# KiCad board mk_keeb.kicad_pcb
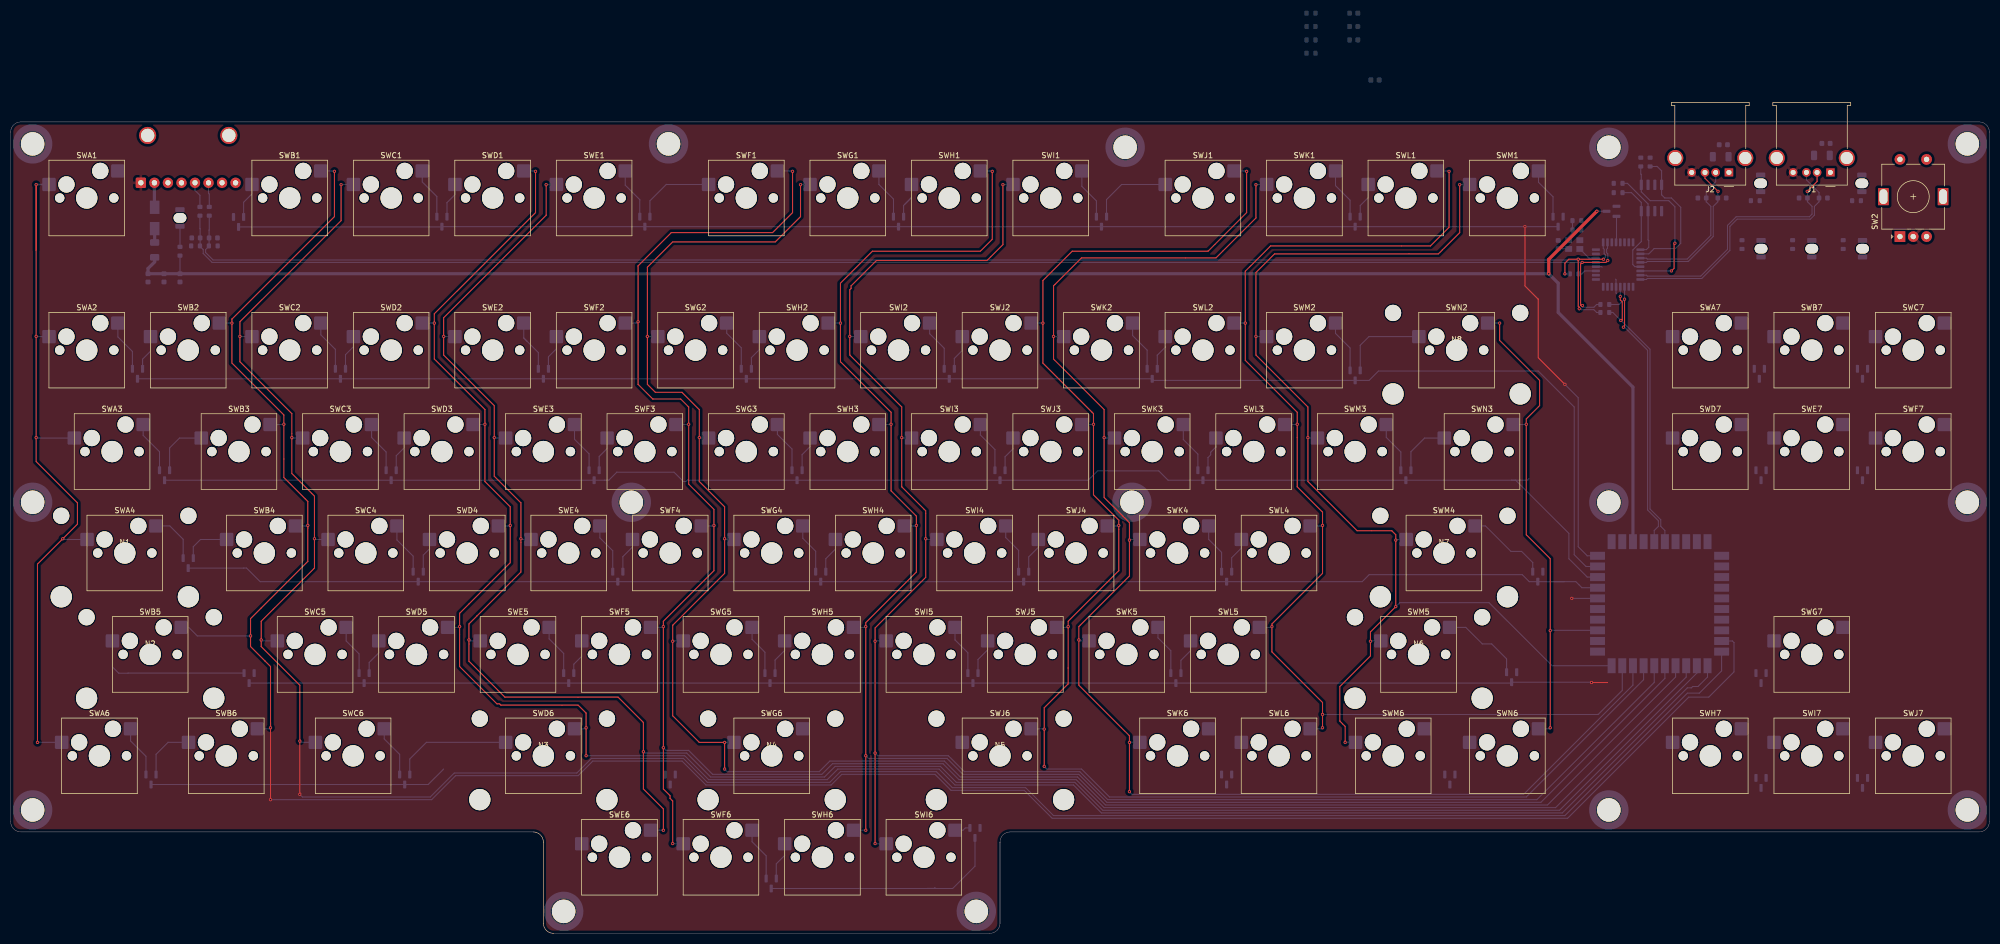
[diagram p0: board, top side]
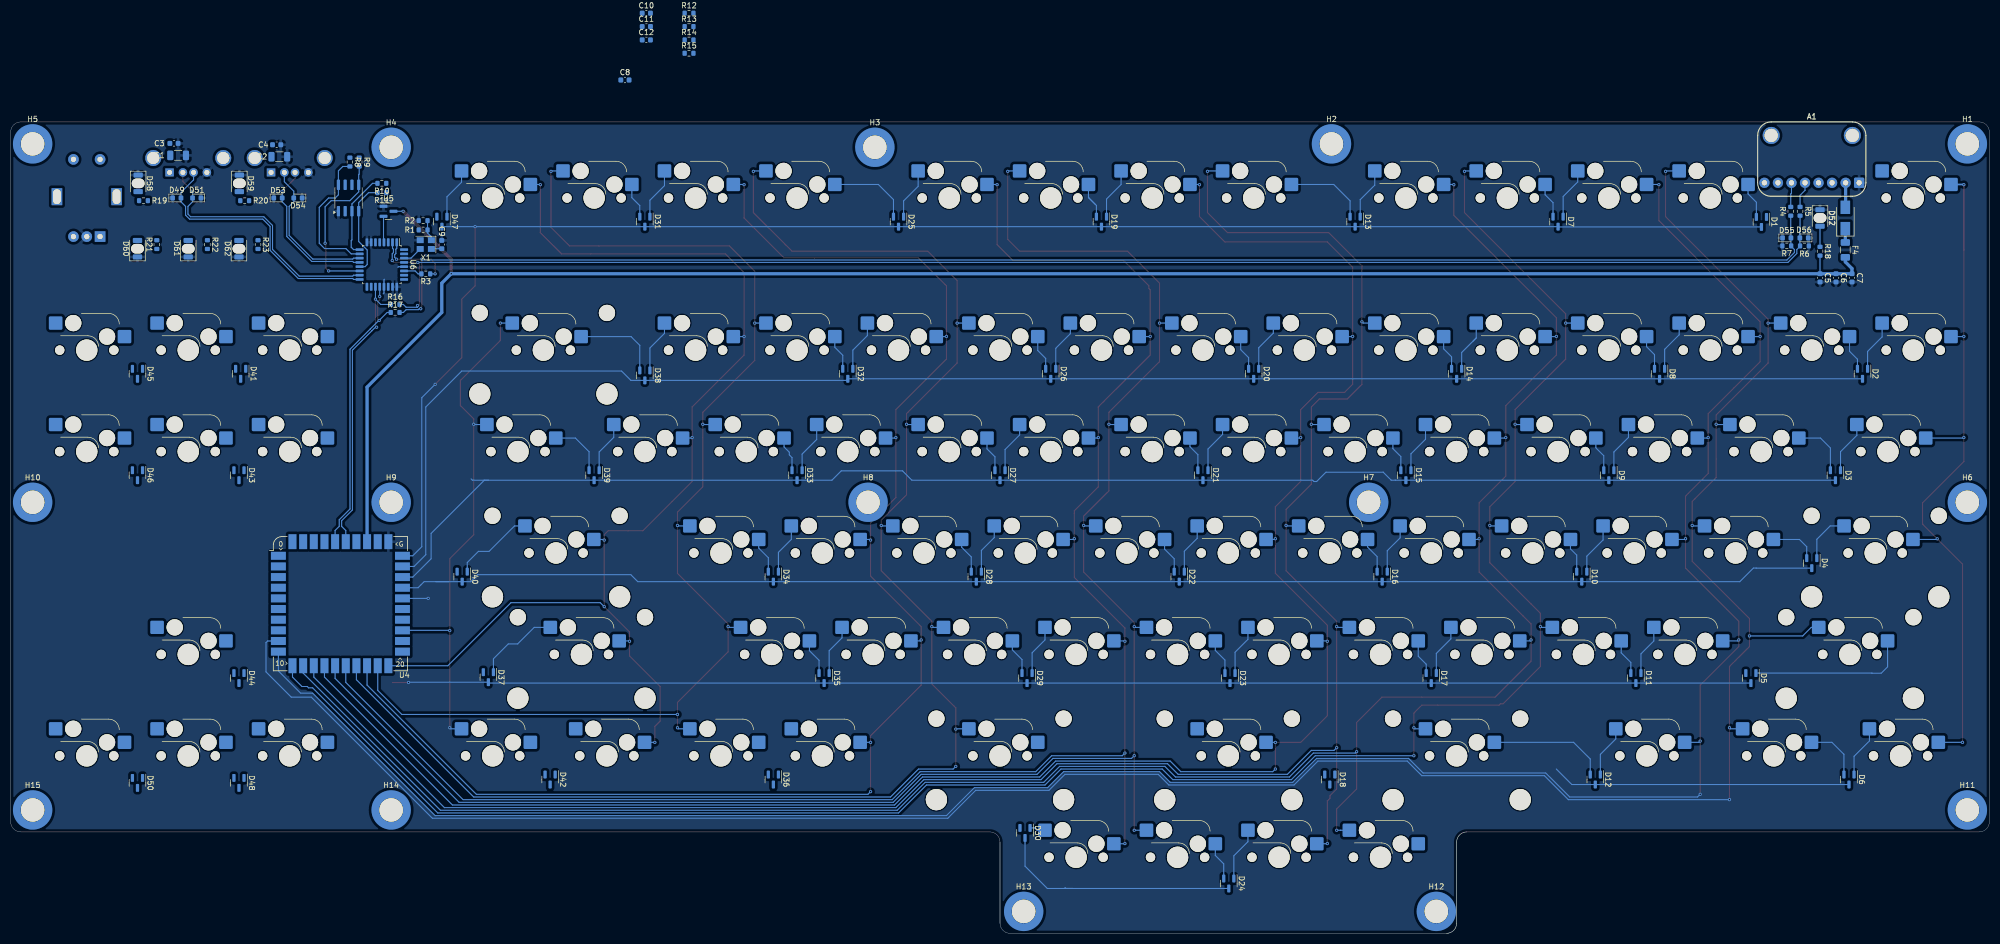
[diagram p1: board, bottom side, seen from below]

Outline 371.48 x 152.4 mm; copper layers: Top, Bottom. Coordinates in mm from the lower left corner of the outline.
Outline path: 0,150.5 arc(0.56,151.84) 1.9,152.4 369.57,152.4 arc(370.92,151.84) 371.48,150.5 371.48,20.95 arc(370.92,19.61) 369.57,19.05 187.64,19.05 arc(186.3,18.49) 185.74,17.14 185.74,1.91 arc(185.18,0.56) 183.83,0 101.92,0 arc(100.57,0.56) 100.01,1.91 100.01,17.14 arc(99.45,18.49) 98.11,19.05 1.9,19.05 arc(0.56,19.61) 0,20.95 0,150.5

## Placement (name value [footprint] x y rotation side)
A1  -  [ADA4090]  33.34 152.4 180 bottom
C1  1uF  [C_1206_3216Metric]  340.04 146.11 180 bottom
C2  1uF  [C_1206_3216Metric]  321.04 145.86 180 bottom
C3  220nF  [C_0603_1608Metric]  340.81 148.36 180 bottom
C4  220nF  [C_0603_1608Metric]  321.54 148.11 180 bottom
C5  10uF  [C_0603_1608Metric]  31.79 123.11 270 bottom
C6  1uF  [C_0603_1608Metric]  28.79 123.11 270 bottom
C7  100nF  [C_0603_1608Metric]  25.79 123.11 270 bottom
C8  C  [C_0603_1608Metric]  256.15 160.27 180 bottom
C9  10nF  [C_0603_1608Metric]  290.54 129.36 90 bottom
C10  100nF  [C_0603_1608Metric]  252.14 172.82 180 bottom
C11  1uF  [C_0603_1608Metric]  252.14 170.31 180 bottom
C12  100nF  [C_0603_1608Metric]  252.14 167.8 180 bottom
D1  BAV70,215  [SOT-23]  42.79 133.61 270 bottom
D2  BAV70,215  [SOT-23]  23.81 105.09 270 bottom
D3  BAV70,215  [SOT-23]  28.89 86.04 270 bottom
D4  BAV70,215  [SOT-23]  33.34 69.53 270 bottom
D5  BAV70,215  [SOT-23]  44.77 47.94 270 bottom
D6  BAV70,215  [SOT-23]  26.35 28.89 270 bottom
D7  BAV70,215  [SOT-23]  80.96 133.67 270 bottom
D8  BAV70,215  [SOT-23]  61.91 105.09 270 bottom
D9  BAV70,215  [SOT-23]  71.44 86.04 270 bottom
D10  BAV70,215  [SOT-23]  76.52 66.99 270 bottom
D11  BAV70,215  [SOT-23]  66.36 47.94 270 bottom
D12  BAV70,215  [SOT-23]  73.98 28.89 270 bottom
D13  BAV70,215  [SOT-23]  119.06 133.67 270 bottom
D14  BAV70,215  [SOT-23]  100.01 105.09 270 bottom
D15  BAV70,215  [SOT-23]  109.54 86.04 270 bottom
D16  BAV70,215  [SOT-23]  113.98 66.99 270 bottom
D17  BAV70,215  [SOT-23]  104.77 47.94 270 bottom
D18  BAV70,215  [SOT-23]  123.82 28.89 270 bottom
D19  BAV70,215  [SOT-23]  166.69 133.67 270 bottom
D20  BAV70,215  [SOT-23]  138.11 105.09 270 bottom
D21  BAV70,215  [SOT-23]  147.64 86.04 270 bottom
D22  BAV70,215  [SOT-23]  152.08 66.99 270 bottom
D23  BAV70,215  [SOT-23]  142.56 47.94 270 bottom
D24  BAV70,215  [SOT-23]  142.79 9.36 270 bottom
D25  BAV70,215  [SOT-23]  204.79 133.67 270 bottom
D26  BAV70,215  [SOT-23]  176.21 105.09 270 bottom
D27  BAV70,215  [SOT-23]  185.74 86.04 270 bottom
D28  BAV70,215  [SOT-23]  190.18 66.99 270 bottom
D29  BAV70,215  [SOT-23]  180.66 47.94 270 bottom
D30  BAV70,215  [SOT-23]  181.04 18.86 270 bottom
D31  BAV70,215  [SOT-23]  252.41 133.67 270 bottom
D32  BAV70,215  [SOT-23]  214.31 105.09 270 bottom
D33  BAV70,215  [SOT-23]  223.84 86.04 270 bottom
D34  BAV70,215  [SOT-23]  228.28 66.99 270 bottom
D35  BAV70,215  [SOT-23]  218.76 47.94 270 bottom
D36  BAV70,215  [SOT-23]  228.28 28.89 270 bottom
D37  BAV70,215  [SOT-23]  281.79 48.11 270 bottom
D38  BAV70,215  [SOT-23]  252.41 104.79 270 bottom
D39  BAV70,215  [SOT-23]  261.94 86.04 270 bottom
D40  BAV70,215  [SOT-23]  286.7 66.99 270 bottom
D41  BAV70,215  [SOT-23]  328.29 105.09 270 bottom
D42  BAV70,215  [SOT-23]  270.19 28.89 270 bottom
D43  BAV70,215  [SOT-23]  328.61 86.04 270 bottom
D44  BAV70,215  [SOT-23]  328.61 47.94 270 bottom
D45  BAV70,215  [SOT-23]  347.66 105.09 270 bottom
D46  BAV70,215  [SOT-23]  347.66 86.04 270 bottom
D47  BAV70,215  [SOT-23]  290.51 133.67 270 bottom
D48  BAV70,215  [SOT-23]  328.61 28.26 270 bottom
D49  CGA0603MLC-05E  [D_0603_1608Metric]  340.29 138.11 180 bottom
D50  BAV70,215  [SOT-23]  347.66 28.26 270 bottom
D51  CGA0603MLC-05E  [D_0603_1608Metric]  336.54 138.11 0 bottom
D52  B120-E3  [D_SMA]  27.04 134.36 90 bottom
D53  CGA0603MLC-05E  [D_0603_1608Metric]  321.29 138.11 180 bottom
D54  CGA0603MLC-05E  [D_0603_1608Metric]  317.54 138.11 0 bottom
D55  CGA0603MLC-05E  [D_0603_1608Metric]  38.04 130.61 180 bottom
D56  CGA0603MLC-05E  [D_0603_1608Metric]  34.79 130.61 0 bottom
D57  LED  [LED_1206_3216Metric_ReverseMount_Hole1.8x2.4mm]  31.79 134.36 270 bottom
D58  LED  [LED_1206_3216Metric_ReverseMount_Hole1.8x2.4mm]  347.54 140.86 270 bottom
D59  LED  [LED_1206_3216Metric_ReverseMount_Hole1.8x2.4mm]  328.54 140.86 270 bottom
D60  LED  [LED_1206_3216Metric_ReverseMount_Hole1.8x2.4mm]  347.66 128.59 90 bottom
D61  LED  [LED_1206_3216Metric_ReverseMount_Hole1.8x2.4mm]  338.14 128.59 90 bottom
D62  LED  [LED_1206_3216Metric_ReverseMount_Hole1.8x2.4mm]  328.61 128.59 90 bottom
F4  1A  [Fuse_1206_3216Metric]  27.04 128.36 270 bottom
H1  MountingHole_Pad  [Mounting_Wuerth_WA-SMSR-3.2mm_H5.1mm_ReverseMount_9775051960]  4.13 148.27 180 bottom
H2  MountingHole_Pad  [Mounting_Wuerth_WA-SMSR-3.2mm_H5.1mm_ReverseMount_9775051960]  123.51 148.27 180 bottom
H3  MountingHole_Pad  [Mounting_Wuerth_WA-SMSR-3.2mm_H5.1mm_ReverseMount_9775051960]  209.23 147.64 180 bottom
H4  MountingHole_Pad  [Mounting_Wuerth_WA-SMSR-3.2mm_H5.1mm_ReverseMount_9775051960]  300.04 147.64 180 bottom
H5  MountingHole_Pad  [Mounting_Wuerth_WA-SMSR-3.2mm_H5.1mm_ReverseMount_9775051960]  367.35 148.27 180 bottom
H6  MountingHole_Pad  [Mounting_Wuerth_WA-SMSR-3.2mm_H5.1mm_ReverseMount_9775051960]  4.13 80.96 180 bottom
H7  MountingHole_Pad  [Mounting_Wuerth_WA-SMSR-3.2mm_H5.1mm_ReverseMount_9775051960]  116.52 80.96 180 bottom
H8  MountingHole_Pad  [Mounting_Wuerth_WA-SMSR-3.2mm_H5.1mm_ReverseMount_9775051960]  210.5 80.96 180 bottom
H9  MountingHole_Pad  [Mounting_Wuerth_WA-SMSR-3.2mm_H5.1mm_ReverseMount_9775051960]  300.04 80.96 180 bottom
H10  MountingHole_Pad  [Mounting_Wuerth_WA-SMSR-3.2mm_H5.1mm_ReverseMount_9775051960]  367.35 80.96 180 bottom
H11  MountingHole_Pad  [Mounting_Wuerth_WA-SMSR-3.2mm_H5.1mm_ReverseMount_9775051960]  4.13 23.18 180 bottom
H12  MountingHole_Pad  [Mounting_Wuerth_WA-SMSR-3.2mm_H5.1mm_ReverseMount_9775051960]  103.82 4.13 180 bottom
H13  MountingHole_Pad  [Mounting_Wuerth_WA-SMSR-3.2mm_H5.1mm_ReverseMount_9775051960]  181.29 4.13 180 bottom
H14  MountingHole_Pad  [Mounting_Wuerth_WA-SMSR-3.2mm_H5.1mm_ReverseMount_9775051960]  300.04 23.18 180 bottom
H15  MountingHole_Pad  [Mounting_Wuerth_WA-SMSR-3.2mm_H5.1mm_ReverseMount_9775051960]  367.35 23.18 180 bottom
J1  USB_A  [USB_A_Molex_67643_Horizontal]  341.64 142.91 180 top
J2  USB_A  [USB_A_Molex_67643_Horizontal]  322.59 142.91 180 top
N1  Stabilizer  [Stabilizer_Cherry_MX_2.00u]  21.43 71.44 0 top
N2  Stabilizer  [Stabilizer_Cherry_MX_2.00u]  26.19 52.39 0 top
N3  Stabilizer  [Stabilizer_Cherry_MX_2.00u]  100.01 33.34 0 top
N4  Stabilizer  [Stabilizer_Cherry_MX_2.00u]  142.88 33.34 0 top
N5  Stabilizer  [Stabilizer_Cherry_MX_2.00u]  185.74 33.34 0 top
N6  Stabilizer  [Stabilizer_Cherry_MX_2.00u]  264.32 52.39 0 top
N7  Stabilizer  [Stabilizer_Cherry_MX_2.00u]  269.08 71.44 0 top
N8  Stabilizer  [Stabilizer_Cherry_MX_2.00u]  271.46 109.54 0 top
R1  R  [R_0603_1608Metric]  294.04 132.11 180 bottom
R2  R  [R_0603_1608Metric]  294.04 133.86 0 bottom
R3  1k5  [R_0603_1608Metric]  293.54 123.86 0 bottom
R4  27R  [R_0603_1608Metric]  37.29 135.61 270 bottom
R5  27R  [R_0603_1608Metric]  35.54 135.61 90 bottom
R6  15k  [R_0603_1608Metric]  34.71 129.11 180 bottom
R7  15k  [R_0603_1608Metric]  38.04 129.11 0 bottom
R8  4k7  [R_0603_1608Metric]  307.79 144.86 270 bottom
R9  4k7  [R_0603_1608Metric]  306.04 144.86 270 bottom
R10  4k7  [R_0603_1608Metric]  301.79 140.86 0 bottom
R11  4k7  [R_0603_1608Metric]  301.79 139.11 0 bottom
R12  R  [R_0603_1608Metric]  244.12 172.82 180 bottom
R13  R  [R_0603_1608Metric]  244.12 170.31 180 bottom
R14  R  [R_0603_1608Metric]  244.12 167.8 180 bottom
R15  R  [R_0603_1608Metric]  244.12 165.29 180 bottom
R16  0R  [R_0603_1608Metric]  299.29 118.11 180 bottom  (not fitted)
R17  0R  [R_0603_1608Metric]  299.29 116.61 180 bottom  (not fitted)
R18  10k  [R_0603_1608Metric]  31.79 128.11 270 bottom
R19  10k  [R_0603_1608Metric]  346.54 137.61 180 bottom
R20  10k  [R_0603_1608Metric]  327.54 137.61 180 bottom
R21  10k  [R_0603_1608Metric]  344.04 129.36 90 bottom
R22  10k  [R_0603_1608Metric]  334.54 129.36 270 bottom
R23  10k  [R_0603_1608Metric]  325.04 129.36 270 bottom
SW2  RotaryEncoder_Switch  [RotaryEncoder_Alps_EC11E-Switch_Vertical_H20mm]  354.69 130.86 90 top
SWA1  CPG151101S11  [SW_Hotswap_Kailh_MX_1.00u]  14.29 138.11 0 top
SWA2  CPG151101S11  [SW_Hotswap_Kailh_MX_1.00u]  14.29 109.54 0 top
SWA3  CPG151101S11  [SW_Hotswap_Kailh_MX_1.50u]  19.04 90.49 0 top
SWA4  CPG151101S11  [SW_Hotswap_Kailh_MX_1.75u]  21.43 71.44 0 top
SWA6  CPG151101S11  [SW_Hotswap_Kailh_MX_1.25u]  16.67 33.34 0 top
SWA7  CPG151101S11  [SW_Hotswap_Kailh_MX_1.00u]  319.09 109.54 0 top
SWB1  CPG151101S11  [SW_Hotswap_Kailh_MX_1.00u]  52.39 138.11 0 top
SWB2  CPG151101S11  [SW_Hotswap_Kailh_MX_1.00u]  33.34 109.54 0 top
SWB3  CPG151101S11  [SW_Hotswap_Kailh_MX_1.00u]  42.86 90.49 0 top
SWB4  CPG151101S11  [SW_Hotswap_Kailh_MX_1.00u]  47.62 71.44 0 top
SWB5  CPG151101S11  [SW_Hotswap_Kailh_MX_2.25u]  26.19 52.39 0 top
SWB6  CPG151101S11  [SW_Hotswap_Kailh_MX_1.25u]  40.48 33.34 0 top
SWB7  CPG151101S11  [SW_Hotswap_Kailh_MX_1.00u]  338.14 109.54 0 top
SWC1  CPG151101S11  [SW_Hotswap_Kailh_MX_1.00u]  71.44 138.11 0 top
SWC2  CPG151101S11  [SW_Hotswap_Kailh_MX_1.00u]  52.39 109.54 0 top
SWC3  CPG151101S11  [SW_Hotswap_Kailh_MX_1.00u]  61.91 90.49 0 top
SWC4  CPG151101S11  [SW_Hotswap_Kailh_MX_1.00u]  66.67 71.44 0 top
SWC5  CPG151101S11  [SW_Hotswap_Kailh_MX_1.00u]  57.15 52.39 0 top
SWC6  CPG151101S11  [SW_Hotswap_Kailh_MX_1.25u]  64.29 33.34 0 top
SWC7  CPG151101S11  [SW_Hotswap_Kailh_MX_1.00u]  357.19 109.54 0 top
SWD1  CPG151101S11  [SW_Hotswap_Kailh_MX_1.00u]  90.49 138.11 0 top
SWD2  CPG151101S11  [SW_Hotswap_Kailh_MX_1.00u]  71.44 109.54 0 top
SWD3  CPG151101S11  [SW_Hotswap_Kailh_MX_1.00u]  80.96 90.49 0 top
SWD4  CPG151101S11  [SW_Hotswap_Kailh_MX_1.00u]  85.72 71.44 0 top
SWD5  CPG151101S11  [SW_Hotswap_Kailh_MX_1.00u]  76.2 52.39 0 top
SWD6  CPG151101S11  [SW_Hotswap_Kailh_MX_2.50u]  100.01 33.34 0 top
SWD7  CPG151101S11  [SW_Hotswap_Kailh_MX_1.00u]  319.09 90.49 0 top
SWE1  CPG151101S11  [SW_Hotswap_Kailh_MX_1.00u]  109.54 138.11 0 top
SWE2  CPG151101S11  [SW_Hotswap_Kailh_MX_1.00u]  90.49 109.54 0 top
SWE3  CPG151101S11  [SW_Hotswap_Kailh_MX_1.00u]  100.01 90.49 0 top
SWE4  CPG151101S11  [SW_Hotswap_Kailh_MX_1.00u]  104.77 71.44 0 top
SWE5  CPG151101S11  [SW_Hotswap_Kailh_MX_1.00u]  95.25 52.39 0 top
SWE6  CPG151101S11  [SW_Hotswap_Kailh_MX_1.00u]  114.3 14.29 0 top
SWE7  CPG151101S11  [SW_Hotswap_Kailh_MX_1.00u]  338.14 90.49 0 top
SWF1  CPG151101S11  [SW_Hotswap_Kailh_MX_1.00u]  138.11 138.11 0 top
SWF2  CPG151101S11  [SW_Hotswap_Kailh_MX_1.00u]  109.54 109.54 0 top
SWF3  CPG151101S11  [SW_Hotswap_Kailh_MX_1.00u]  119.06 90.49 0 top
SWF4  CPG151101S11  [SW_Hotswap_Kailh_MX_1.00u]  123.82 71.44 0 top
SWF5  CPG151101S11  [SW_Hotswap_Kailh_MX_1.00u]  114.3 52.39 0 top
SWF6  CPG151101S11  [SW_Hotswap_Kailh_MX_1.00u]  133.35 14.29 0 top
SWF7  CPG151101S11  [SW_Hotswap_Kailh_MX_1.00u]  357.19 90.49 0 top
SWG1  CPG151101S11  [SW_Hotswap_Kailh_MX_1.00u]  157.16 138.11 0 top
SWG2  CPG151101S11  [SW_Hotswap_Kailh_MX_1.00u]  128.59 109.54 0 top
SWG3  CPG151101S11  [SW_Hotswap_Kailh_MX_1.00u]  138.11 90.49 0 top
SWG4  CPG151101S11  [SW_Hotswap_Kailh_MX_1.00u]  142.87 71.44 0 top
SWG5  CPG151101S11  [SW_Hotswap_Kailh_MX_1.00u]  133.35 52.39 0 top
SWG6  CPG151101S11  [SW_Hotswap_Kailh_MX_2.00u]  142.88 33.34 0 top
SWG7  CPG151101S11  [SW_Hotswap_Kailh_MX_1.00u]  338.14 52.39 0 top
SWH1  CPG151101S11  [SW_Hotswap_Kailh_MX_1.00u]  176.21 138.11 0 top
SWH2  CPG151101S11  [SW_Hotswap_Kailh_MX_1.00u]  147.64 109.54 0 top
SWH3  CPG151101S11  [SW_Hotswap_Kailh_MX_1.00u]  157.16 90.49 0 top
SWH4  CPG151101S11  [SW_Hotswap_Kailh_MX_1.00u]  161.92 71.44 0 top
SWH5  CPG151101S11  [SW_Hotswap_Kailh_MX_1.00u]  152.4 52.39 0 top
SWH6  CPG151101S11  [SW_Hotswap_Kailh_MX_1.00u]  152.4 14.29 0 top
SWH7  CPG151101S11  [SW_Hotswap_Kailh_MX_1.00u]  319.09 33.34 0 top
SWI1  CPG151101S11  [SW_Hotswap_Kailh_MX_1.00u]  195.26 138.11 0 top
SWI2  CPG151101S11  [SW_Hotswap_Kailh_MX_1.00u]  166.69 109.54 0 top
SWI3  CPG151101S11  [SW_Hotswap_Kailh_MX_1.00u]  176.21 90.49 0 top
SWI4  CPG151101S11  [SW_Hotswap_Kailh_MX_1.00u]  180.97 71.44 0 top
SWI5  CPG151101S11  [SW_Hotswap_Kailh_MX_1.00u]  171.45 52.39 0 top
SWI6  CPG151101S11  [SW_Hotswap_Kailh_MX_1.00u]  171.45 14.29 0 top
SWI7  CPG151101S11  [SW_Hotswap_Kailh_MX_1.00u]  338.14 33.34 0 top
SWJ1  CPG151101S11  [SW_Hotswap_Kailh_MX_1.00u]  223.84 138.11 0 top
SWJ2  CPG151101S11  [SW_Hotswap_Kailh_MX_1.00u]  185.74 109.54 0 top
SWJ3  CPG151101S11  [SW_Hotswap_Kailh_MX_1.00u]  195.26 90.49 0 top
SWJ4  CPG151101S11  [SW_Hotswap_Kailh_MX_1.00u]  200.02 71.44 0 top
SWJ5  CPG151101S11  [SW_Hotswap_Kailh_MX_1.00u]  190.5 52.39 0 top
SWJ6  CPG151101S11  [SW_Hotswap_Kailh_MX_2.50u]  185.74 33.34 0 top
SWJ7  CPG151101S11  [SW_Hotswap_Kailh_MX_1.00u]  357.19 33.34 0 top
SWK1  CPG151101S11  [SW_Hotswap_Kailh_MX_1.00u]  242.89 138.11 0 top
SWK2  CPG151101S11  [SW_Hotswap_Kailh_MX_1.00u]  204.79 109.54 0 top
SWK3  CPG151101S11  [SW_Hotswap_Kailh_MX_1.00u]  214.31 90.49 0 top
SWK4  CPG151101S11  [SW_Hotswap_Kailh_MX_1.00u]  219.07 71.44 0 top
SWK5  CPG151101S11  [SW_Hotswap_Kailh_MX_1.00u]  209.55 52.39 0 top
SWK6  CPG151101S11  [SW_Hotswap_Kailh_MX_1.00u]  219.07 33.34 0 top
SWL1  CPG151101S11  [SW_Hotswap_Kailh_MX_1.00u]  261.94 138.11 0 top
SWL2  CPG151101S11  [SW_Hotswap_Kailh_MX_1.00u]  223.84 109.54 0 top
SWL3  CPG151101S11  [SW_Hotswap_Kailh_MX_1.00u]  233.36 90.49 0 top
SWL4  CPG151101S11  [SW_Hotswap_Kailh_MX_1.00u]  238.12 71.44 0 top
SWL5  CPG151101S11  [SW_Hotswap_Kailh_MX_1.00u]  228.6 52.39 0 top
SWL6  CPG151101S11  [SW_Hotswap_Kailh_MX_1.00u]  238.12 33.34 0 top
SWM1  CPG151101S11  [SW_Hotswap_Kailh_MX_1.00u]  280.99 138.11 0 top
SWM2  CPG151101S11  [SW_Hotswap_Kailh_MX_1.00u]  242.89 109.54 0 top
SWM3  CPG151101S11  [SW_Hotswap_Kailh_MX_1.00u]  252.41 90.49 0 top
SWM4  CPG151101S11  [SW_Hotswap_Kailh_MX_2.25u]  269.08 71.44 0 top
SWM5  CPG151101S11  [SW_Hotswap_Kailh_MX_2.75u]  264.32 52.39 0 top
SWM6  CPG151101S11  [SW_Hotswap_Kailh_MX_1.25u]  259.56 33.34 0 top
SWN2  CPG151101S11  [SW_Hotswap_Kailh_MX_2.00u]  271.46 109.54 0 top
SWN3  CPG151101S11  [SW_Hotswap_Kailh_MX_1.50u]  276.23 90.49 0 top
SWN6  CPG151101S11  [SW_Hotswap_Kailh_MX_1.00u]  280.99 33.34 0 top
U1  TPS2042D  [SOIC-8_3.9x4.9mm_P1.27mm]  308.04 138.11 90 bottom
U4  RP2040_Stamp  [RP2040_Stamp_SMD]  309.56 61.91 180 bottom
U5  TPS3839DBZ  [SOT-23]  300.54 135.61 180 bottom
U6  TUSB2036  [LQFP-32_7x7mm_P0.8mm]  301.79 125.61 270 bottom
X1  ASE-xxxMHz  [Oscillator_SMD_Abracon_ASE-4Pin_3.2x2.5mm]  293.54 129.36 0 bottom

## Library data of the parts
A1 = -: Datasheet: https://github.com/adafruit/Adafruit-USB-C-Downstream-Breakout; Description: Adafruit USB C downstream breakout
C1-C12 = -: Description: Unpolarized capacitor; ki_fp_filters: C_*
D1-D48 D50 = -: Manufacturer: Nexperia
D49 D51 D53-D56 = -: Description: Bidirectional transient-voltage-suppression diode; ki_fp_filters: TO-???* *_Diode_* *SingleDiode* D_*
D52 = -: Datasheet: http://www.vishay.com/docs/88946/b120.pdf; Description: 20V 1A Schottky Barrier Rectifier Diode, SMA(DO-214AC); ki_fp_filters: D*SMA*
D57-D62 = -: Description: Light emitting diode; ki_fp_filters: LED* LED_SMD:* LED_THT:*
F4 = -: Description: 0685T0750-01; ki_fp_filters: *Fuse*
H1-H15 = -: Description: Mounting Hole with connection; ki_fp_filters: MountingHole*Pad*
J1 J2 = -: Description: USB Type A connector; ki_fp_filters: USB*
N1-N8 = -: Description: Housing; ki_fp_filters: Enclosure* Housing*
R1-R23 = -: Description: Resistor; ki_fp_filters: R_*
SW2 = -: Description: Rotary encoder, dual channel, incremental quadrate outputs, with switch; ki_fp_filters: RotaryEncoder*Switch*
SWA1-SWA4 SWA6 SWA7 SWB1-SWB7 SWC1-SWC7 SWD1-SWD7 SWE1-SWE7 SWF1-SWF7 SWG1-SWG7 SWH1-SWH7 SWI1-SWI7 SWJ1-SWJ7 SWK1-SWK6 SWL1-SWL6 SWM1-SWM6 SWN2 SWN3 SWN6 = -: Manufacturer: Kailh
U1 = -: Datasheet: http://www.ti.com/lit/ds/symlink/tps2042.pdf; Description: Dual power-distribution switcher; ki_fp_filters: SOIC*3.9x4.9mm*1.27mm*
U5 = -: Datasheet: http://www.ti.com/lit/ds/sbvs193d/sbvs193d.pdf; Description: 150-nA, Ultralow Power, Supply Voltage Monitor, SOT-23; ki_fp_filters: SOT?23*
U6 = -: Datasheet: http://www.ti.com/lit/ds/symlink/tusb2036.pdf; Description: 2- or 3-Port USB1.1 HUB with optional serial EEPROM; ki_fp_filters: LQFP*7x7mm*P0.8mm*
X1 = -: Datasheet: http://www.abracon.com/Oscillators/ASV.pdf; Description: 3.3V CMOS SMD Crystal Clock Oscillator, Abracon; ki_fp_filters: Oscillator*SMD*Abracon*ASE*3.2x2.5mm*

## Footprints (pads in the part's own frame, mm; a bottom-side part is the same pattern mirrored in y, then rotated)
ADA4090
  rrect 1.93x1.93 hole 1: 1(8.89,-11.43)
  round 1.93 hole 1: 2(6.35,-11.43) 3(3.81,-11.43) 4(1.27,-11.43) 5(-1.27,-11.43) 6(-3.81,-11.43) 7(-6.35,-11.43) 8(-8.89,-11.43)
  round 3.2 hole 2.5: P$1(-7.62,-2.54) P$1(7.62,-2.54)
C_0603_1608Metric
  rrect 0.9x0.95 smd: 1(-0.775,0) 2(0.775,0)
C_1206_3216Metric
  rrect 1.15x1.8 smd: 1(-1.475,0) 2(1.475,0)
D_0603_1608Metric
  rrect 0.875x0.95 smd: 1(-0.787,0) 2(0.787,0)
D_SMA
  rect 2.5x1.8 smd: 1(-2,0) 2(2,0)
Fuse_1206_3216Metric
  rrect 1.25x1.75 smd: 1(-1.4,0) 2(1.4,0)
LED_1206_3216Metric_ReverseMount_Hole1.8x2.4mm
  oval 1.8x2.4 hole 1.8x2.4 unplated: (0,0)
  rrect 0.95x1.75 smd: 1(-1.55,0) 2(1.55,0)
LQFP-32_7x7mm_P0.8mm
  rrect 1.5x0.5 smd: 1(-4.175,2.8) 2(-4.175,2) 3(-4.175,1.2) 4(-4.175,0.4) 5(-4.175,-0.4) 6(-4.175,-1.2) 7(-4.175,-2) 8(-4.175,-2.8) 17(4.175,-2.8) 18(4.175,-2) 19(4.175,-1.2) 20(4.175,-0.4) 21(4.175,0.4) 22(4.175,1.2) 23(4.175,2) 24(4.175,2.8)
  rrect 0.5x1.5 smd: 9(-2.8,-4.175) 10(-2,-4.175) 11(-1.2,-4.175) 12(-0.4,-4.175) 13(0.4,-4.175) 14(1.2,-4.175) 15(2,-4.175) 16(2.8,-4.175) 25(2.8,4.175) 26(2,4.175) 27(1.2,4.175) 28(0.4,4.175) 29(-0.4,4.175) 30(-1.2,4.175) 31(-2,4.175) 32(-2.8,4.175)
Mounting_Wuerth_WA-SMSR-3.2mm_H5.1mm_ReverseMount_9775051960
  custom 3.199x3.199 smd: (-2.095,-2.095) (-2.095,2.095) (2.095,-2.095) (2.095,2.095)
  round 4.4 hole 4.4 unplated: (0,0)
  round 1.05 smd: 1(-2.975,0) 1(0,-2.975) 1(0,2.975)
  custom 7.4x7.4 smd: 1(2.975,0)
Oscillator_SMD_Abracon_ASE-4Pin_3.2x2.5mm
  rect 1.3x1.1 smd: 1(-1.05,-0.825) 2(1.05,-0.825) 3(1.05,0.825) 4(-1.05,0.825)
R_0603_1608Metric
  rrect 0.8x0.95 smd: 1(-0.825,0) 2(0.825,0)
RotaryEncoder_Alps_EC11E-Switch_Vertical_H20mm
  rect 2x2 hole 1: A(0,0)
  round 2 hole 1: B(0,-5) C(0,-2.5) S1(14.5,-5) S2(14.5,0)
  rect 3.2x2 hole 2.8x1.5: MP(7.5,3.1) MP(7.5,-8.1)
RP2040_Stamp_SMD
  rect 2.8x1.5 smd: 1(-11.65,9) 2(-11.65,7) 3(-11.65,5) 4(-11.65,3) 5(-11.65,1) 6(-11.65,-1) 7(-11.65,-3) 8(-11.65,-5) 9(-11.65,-7) 10(-11.65,-9) 21(11.65,-9) 22(11.65,-7) 23(11.65,-5) 24(11.65,-3) 25(11.65,-1) 26(11.65,1) 27(11.65,3) 28(11.65,5) 29(11.65,7) 30(11.65,9)
  rect 1.5x2.8 smd: 11(-9,-11.65) 12(-7,-11.65) 13(-5,-11.65) 14(-3,-11.65) 15(-1,-11.65) 16(1,-11.65) 17(3,-11.65) 18(5,-11.65) 19(7,-11.65) 20(9,-11.65) 31(9,11.65) 32(7,11.65) 33(5,11.65) 34(3,11.65) 35(1,11.65) 36(-1,11.65) 37(-3,11.65) 38(-5,11.65) 39(-7,11.65) 40(-9,11.65)
SOIC-8_3.9x4.9mm_P1.27mm
  rrect 1.95x0.6 smd: 1(-2.475,1.905) 2(-2.475,0.635) 3(-2.475,-0.635) 4(-2.475,-1.905) 5(2.475,-1.905) 6(2.475,-0.635) 7(2.475,0.635) 8(2.475,1.905)
SOT-23
  rrect 1.475x0.6 smd: 1(-0.938,0.95) 2(-0.938,-0.95) 3(0.938,0)
Stabilizer_Cherry_MX_2.00u
  round 3.048 hole 3.048 unplated: (-11.938,6.985) (11.938,6.985)
  round 3.988 hole 3.988 unplated: (-11.938,-8.225) (11.938,-8.225)
SW_Hotswap_Kailh_MX_1.00u
  round 1.75 hole 1.75 unplated: (-5.08,0) (5.08,0)
  round 3.05 hole 3.05 unplated: (-3.81,2.54) (2.54,5.08)
  round 4 hole 4 unplated: (0,0)
  rrect 2.55x2.5 smd far side: 1(-7.085,2.54) 2(5.842,5.08)
SW_Hotswap_Kailh_MX_1.25u
  round 1.75 hole 1.75 unplated: (-5.08,0) (5.08,0)
  round 3.05 hole 3.05 unplated: (-3.81,2.54) (2.54,5.08)
  round 4 hole 4 unplated: (0,0)
  rrect 2.55x2.5 smd far side: 1(-7.085,2.54) 2(5.842,5.08)
SW_Hotswap_Kailh_MX_1.50u
  round 1.75 hole 1.75 unplated: (-5.08,0) (5.08,0)
  round 3.05 hole 3.05 unplated: (-3.81,2.54) (2.54,5.08)
  round 4 hole 4 unplated: (0,0)
  rrect 2.55x2.5 smd far side: 1(-7.085,2.54) 2(5.842,5.08)
SW_Hotswap_Kailh_MX_1.75u
  round 1.75 hole 1.75 unplated: (-5.08,0) (5.08,0)
  round 3.05 hole 3.05 unplated: (-3.81,2.54) (2.54,5.08)
  round 4 hole 4 unplated: (0,0)
  rrect 2.55x2.5 smd far side: 1(-7.085,2.54) 2(5.842,5.08)
SW_Hotswap_Kailh_MX_2.00u
  round 1.75 hole 1.75 unplated: (-5.08,0) (5.08,0)
  round 3.05 hole 3.05 unplated: (-3.81,2.54) (2.54,5.08)
  round 4 hole 4 unplated: (0,0)
  rrect 2.55x2.5 smd far side: 1(-7.085,2.54) 2(5.842,5.08)
SW_Hotswap_Kailh_MX_2.25u
  round 1.75 hole 1.75 unplated: (-5.08,0) (5.08,0)
  round 3.05 hole 3.05 unplated: (-3.81,2.54) (2.54,5.08)
  round 4 hole 4 unplated: (0,0)
  rrect 2.55x2.5 smd far side: 1(-7.085,2.54) 2(5.842,5.08)
SW_Hotswap_Kailh_MX_2.50u
  round 1.75 hole 1.75 unplated: (-5.08,0) (5.08,0)
  round 3.05 hole 3.05 unplated: (-3.81,2.54) (2.54,5.08)
  round 4 hole 4 unplated: (0,0)
  rrect 2.55x2.5 smd far side: 1(-7.085,2.54) 2(5.842,5.08)